# Altium PCB ASCII-senoko_pvt1.PcbDoc (part 2 of 3)
Units mm, origin at the board's own origin, x right, y up, seen from the top; angles counter-clockwise.
Board outline 124.5 x 41 mm, 4 copper layers (Top Layer, Internal Plane 1, Internal Plane 2, Bottom Layer), stack 1.671 mm thick; 226 components, 139 nets, 1479 pads, 355 vias.
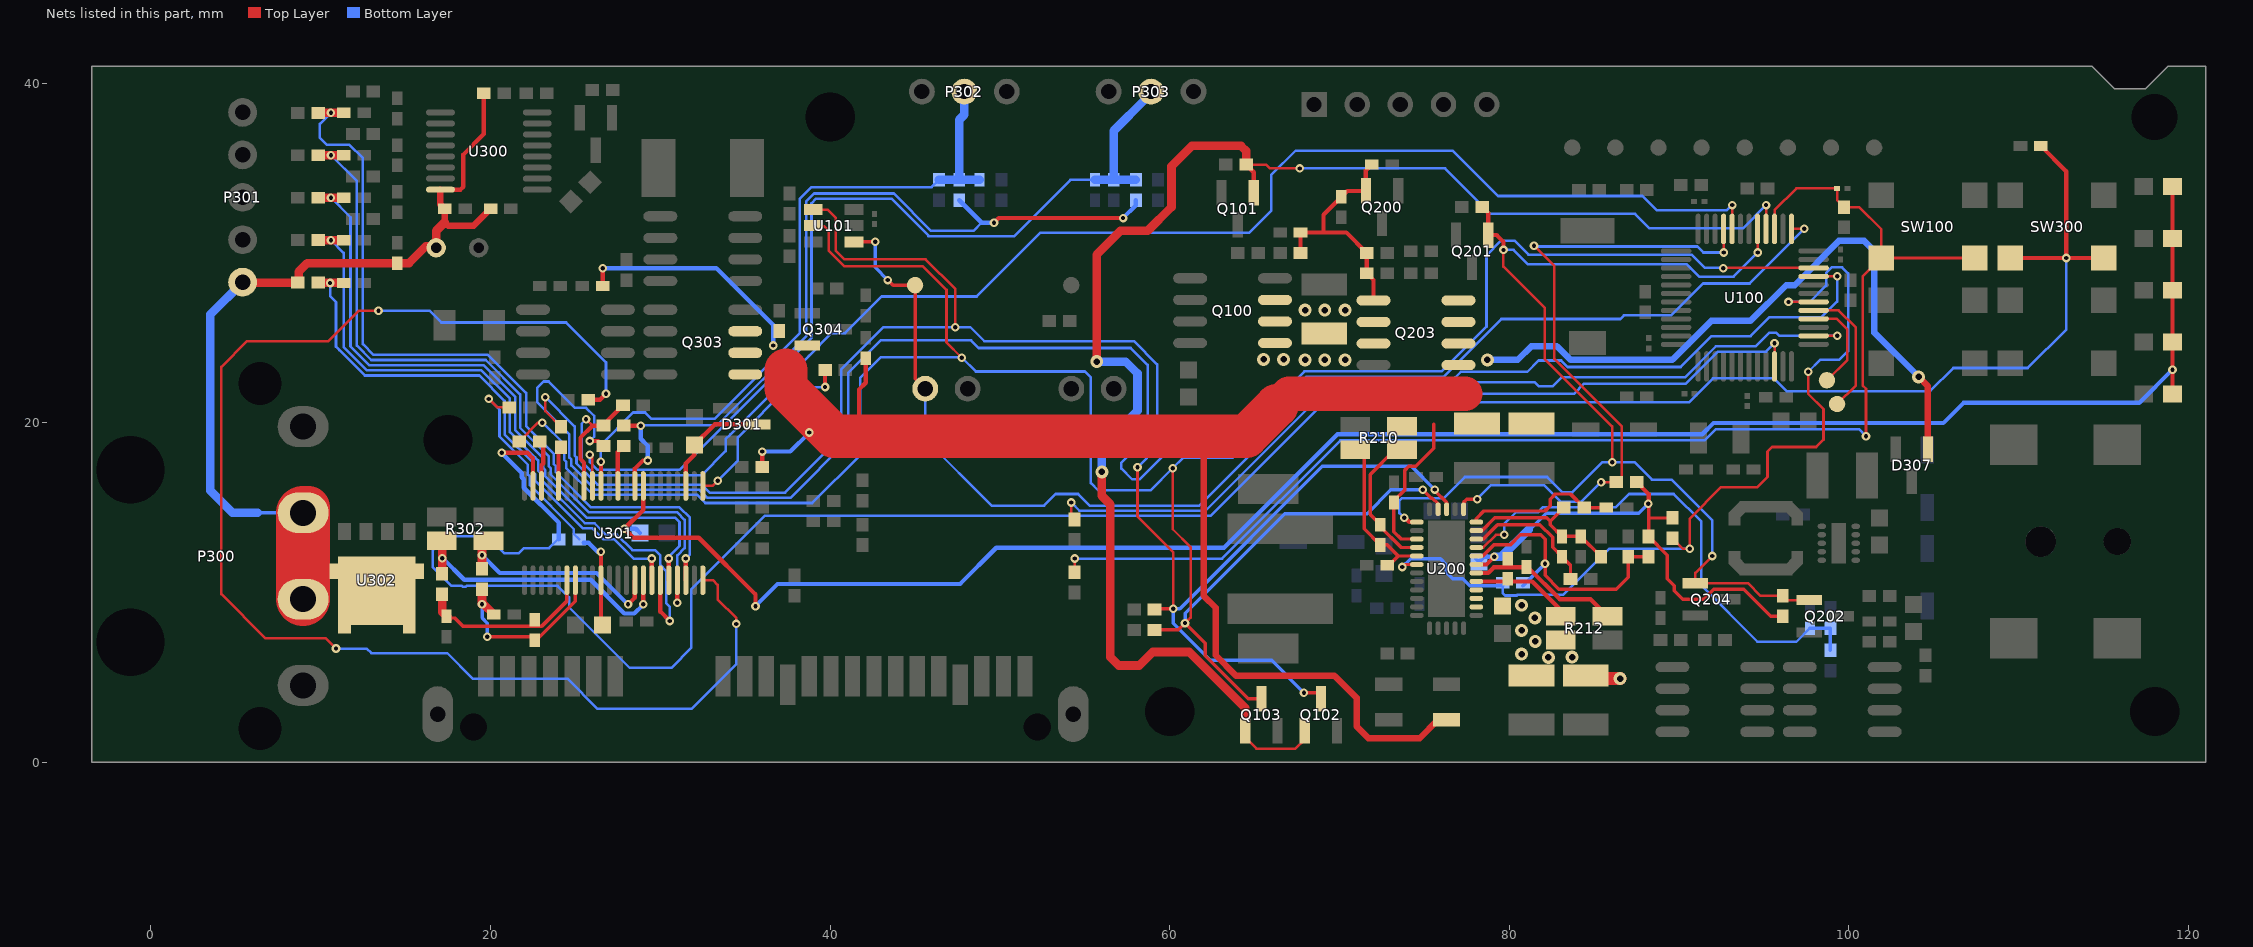
[diagram p4: the nets of this part, all layers, seen from the top]

## Free pads (board coordinates)
  round 2 hole 2.9 unplated mask+1.5: 0(17.5,19) 0(40,38) 0(60,3) 2(118,3)
  round 2 hole 2.7 unplated mask+1.6: 0(118,38)
  rect 0.203x0.051 on Top Overlay: 1(44.828,10.101) 1(45.793,11.726) 1(45.844,14.114) 1(45.945,14.266) 1(46.25,13.454) 1(46.403,9.085) 1(47.063,13.149) 1(47.215,11.676) 1(47.215,13.962) 1(47.317,14.114) 1(47.368,14.165) 1(47.419,14.266) 1(47.469,14.317) 1(47.52,14.47) 1(47.571,13.504) 1(47.571,14.52) 1(47.622,13.555) 1(47.673,13.606) 1(47.723,13.657) 1(47.977,14.012) 1(47.977,14.063) 1(48.028,14.114) 1(48.079,14.216) 1(48.13,10.202) 1(48.13,14.266) 1(48.13,14.317) 1(49.298,13.911) 1(49.501,14.368) 1(50.06,14.673) 1(50.213,12.844) 1(50.213,14.52) 1(50.263,13.962) 1(50.314,14.012) 1(50.314,14.825) 1(50.365,14.063) 1(50.416,14.114) 1(50.416,14.724) 1(50.467,14.673) 1(50.873,11.676) 1(50.924,11.726) 1(50.924,13.301) 1(50.975,11.828) 1(51.025,14.266) 1(51.076,13.403) 1(51.127,14.114) 1(51.279,12.488) 1(51.279,13.555) 1(51.33,13.606) 1(51.381,13.657) 1(51.432,13.708) 1(51.483,13.758) 1(51.533,13.454) 1(51.533,13.809) 1(51.584,13.86) 1(51.635,13.911) 1(51.686,13.962) 1(51.838,13.2) 1(51.94,9.745) 1(51.991,11.726) 1(52.397,9.745)
  rect 0.254x0.051 on Top Overlay: 1(44.853,10.152) 1(44.904,10.202) 1(44.955,10.253) 1(44.955,13.352) 1(45.006,10.304) 1(45.006,13.403) 1(45.056,10.355) 1(45.107,10.406) 1(45.107,13.454) 1(45.158,10.456) 1(45.209,13.504) 1(45.26,10.609) 1(45.26,13.555) 1(45.31,10.66) 1(45.361,13.606) 1(45.412,13.657) 1(45.463,13.708) 1(45.514,13.758) 1(45.564,13.809) 1(45.717,13.962) 1(45.768,14.012) 1(45.818,11.676) 1(45.818,14.063) 1(45.869,14.165) 1(45.92,13.809) 1(45.92,14.216) 1(45.971,14.317) 1(46.072,13.708) 1(46.123,13.657) 1(46.174,13.606) 1(46.225,13.504) 1(46.225,13.555) 1(46.428,9.136) 1(46.58,12.793) 1(47.139,13.2) 1(47.241,13.25) 1(47.292,11.625) 1(47.292,13.301) 1(47.342,11.574) 1(47.393,11.523) 1(47.393,13.352) 1(47.444,13.403) 1(47.495,13.454) 1(47.546,14.673) 1(47.596,14.571) 1(47.596,14.622) 1(48.054,14.165) 1(48.155,10.253) 1(48.155,14.368) 1(48.917,11.168) 1(48.968,11.218) 1(49.019,9.085) 1(49.019,14.165) 1(49.222,14.012) 1(49.273,13.962) 1(49.273,14.571) 1(49.324,13.25) 1(49.425,14.47) 1(49.476,14.419) 1(49.679,10.456) 1(49.882,13.657) 1(49.933,13.708) 1(50.035,13.758) 1(50.086,13.809) 1(50.136,13.86) 1(50.136,14.622) 1(50.187,13.911) 1(50.187,14.571) 1(50.695,10.66) 1(50.746,10.914) 1(50.746,10.964) 1(50.746,11.015) 1(50.746,11.066) 1(50.746,11.117) 1(50.746,11.168) 1(50.746,11.218) 1(50.949,11.777) 1(51,11.879) 1(51,13.352) 1(51.051,11.93) 1(51.152,13.454) 1(51.203,13.504) 1(51.559,10.355) 1(51.61,13.403) 1(51.813,14.724) 1(51.914,14.622) 1(51.965,9.796) 1(52.422,9.593) 1(52.422,9.644) 1(52.422,9.694)
  rect 0.102x0.051 on Top Overlay: 1(44.879,13.301) 1(45.082,14.47) 1(45.742,11.777) 1(45.996,14.52) 1(46.961,13.708) 1(48.892,11.117) 1(49.146,13.454) 1(49.146,13.504) 1(49.603,10.406) 1(50.009,14.724) 1(50.263,14.419) 1(50.568,14.317) 1(50.975,14.317) 1(51.838,13.149) 1(51.94,9.694)
  rect 0.305x0.051 on Top Overlay: 1(45.183,10.507) 1(45.234,10.558) 1(45.336,10.71) 1(45.387,10.761) 1(45.437,10.812) 1(45.437,10.863) 1(45.488,10.914) 1(45.539,11.015) 1(45.59,11.066) 1(45.641,11.168) 1(45.996,13.758) 1(46.047,14.368) 1(46.606,9.593) 1(46.606,9.644) 1(46.606,9.694) 1(46.606,9.745) 1(46.606,9.796) 1(46.606,9.847) 1(46.606,9.898) 1(46.606,9.948) 1(46.606,9.999) 1(46.606,10.05) 1(46.606,10.101) 1(46.606,10.152) 1(46.606,10.202) 1(46.606,10.253) 1(46.606,10.304) 1(46.606,10.355) 1(46.606,10.406) 1(46.606,10.456) 1(46.606,10.507) 1(46.606,10.558) 1(46.606,10.609) 1(46.606,10.66) 1(46.606,10.71) 1(46.606,10.761) 1(46.606,10.812) 1(46.606,10.863) 1(46.606,10.914) 1(46.606,10.964) 1(46.606,11.015) 1(46.606,11.066) 1(46.606,11.117) 1(46.606,11.168) 1(46.606,11.218) 1(46.606,11.269) 1(46.606,11.32) 1(46.606,11.371) 1(46.606,11.422) 1(46.606,11.472) 1(46.606,11.523) 1(46.606,11.574) 1(46.606,11.625) 1(46.606,11.676) 1(46.606,11.726) 1(46.606,11.777) 1(46.606,11.828) 1(46.606,11.879) 1(46.606,11.93) 1(46.606,11.98) 1(46.606,12.031) 1(46.606,12.082) 1(46.606,12.133) 1(46.606,12.184) 1(46.606,12.234) 1(46.606,12.285) 1(46.606,12.336) 1(46.606,12.387) 1(46.606,12.438) 1(46.606,12.488) 1(46.606,12.539) 1(47.419,11.472) 1(47.469,11.422) 1(47.52,11.371) 1(47.876,13.809) 1(47.876,13.86) 1(48.13,10.304) 1(49.044,11.269) 1(49.095,11.32) 1(49.197,14.063) 1(49.298,11.472) 1(49.603,11.777) 1(49.603,13.454) 1(49.654,13.504) 1(49.705,10.507) 1(49.705,10.558) 1(49.705,10.609) 1(49.705,10.66) 1(49.705,10.812) 1(49.705,10.863) 1(49.705,10.914) 1(49.705,10.964) 1(49.705,11.015) 1(49.705,11.066) 1(49.705,11.117) 1(49.705,11.168) 1(49.705,11.218) 1(49.705,11.269) 1(49.705,11.32) 1(49.705,11.371) 1(49.705,11.422) 1(49.705,11.472) 1(49.755,13.555) 1(49.806,13.606) 1(50.365,14.774) 1(50.467,9.999) 1(50.517,10.101) 1(50.568,10.202) 1(50.568,10.253) 1(50.619,10.304) 1(50.619,10.355) 1(50.619,10.406) 1(50.67,10.456) 1(50.67,10.507) 1(50.67,10.558) 1(50.67,10.609) 1(50.721,10.812) 1(50.721,10.863) 1(50.771,11.269) 1(50.771,11.32) 1(50.771,11.371) 1(50.771,11.422) 1(50.771,11.472) 1(51.076,9.593) 1(51.076,9.644) 1(51.076,9.694) 1(51.076,9.745) 1(51.076,9.796) 1(51.076,9.847) 1(51.076,9.898) 1(51.076,9.948) 1(51.076,9.999) 1(51.076,10.05) 1(51.076,10.101) 1(51.076,10.152) 1(51.076,10.202) 1(51.076,10.253) 1(51.076,10.304) 1(51.076,10.355) 1(51.076,10.406) 1(51.076,10.456) 1(51.076,10.507) 1(51.076,10.558) 1(51.076,10.609) 1(51.076,10.66) 1(51.076,11.98) 1(51.127,12.031) 1(51.279,12.438) 1(51.838,13.25) 1(51.838,14.114) 1(51.838,14.165) 1(51.94,9.847) 1(51.94,9.898) 1(51.991,10.558) 1(51.991,10.609) 1(51.991,10.66) 1(51.991,10.812) 1(51.991,10.863) 1(51.991,10.914) 1(51.991,10.964) 1(51.991,11.015) 1(51.991,11.066) 1(51.991,11.117) 1(51.991,11.168) 1(51.991,11.218) 1(51.991,11.269) 1(51.991,11.32) 1(51.991,11.371) 1(51.991,11.422) 1(51.991,11.472) 1(51.991,11.676) 1(52.448,14.317)
  rect 0.152x0.051 on Top Overlay: 1(45.26,14.266) 1(46.276,13.403) 1(46.53,12.844) 1(46.987,13.758) 1(47.038,13.809) 1(47.088,13.86) 1(47.139,13.911) 1(47.19,11.726) 1(47.241,14.012) 1(47.393,14.216) 1(47.495,14.724) 1(48.155,10.152) 1(48.155,14.52) 1(49.324,13.2) 1(49.527,14.317) 1(50.187,12.895) 1(50.238,14.47) 1(50.441,14.165) 1(50.492,14.216) 1(50.492,14.622) 1(50.543,14.266) 1(51.508,10.406) 1(51.914,10.507) 1(51.914,13.403) 1(51.914,13.454) 1(51.914,13.504) 1(51.914,13.555) 1(51.914,13.606) 1(51.914,13.657) 1(51.914,13.708) 1(51.914,13.758) 1(51.914,13.809) 1(51.914,13.86) 1(51.914,13.911) 1(51.914,13.962) 1(51.914,14.317) 1(51.914,14.368) 1(51.914,14.419) 1(51.914,14.47) 1(51.914,14.52) 1(51.914,14.571) 1(51.965,11.777) 1(52.422,9.796) 1(52.422,9.847) 1(52.422,9.898) 1(52.422,9.948) 1(52.422,9.999) 1(52.422,10.05) 1(52.422,10.101) 1(52.422,10.152) 1(52.422,10.202)
  rect 0.406x0.051 on Top Overlay: 1(45.285,14.317) 1(45.691,11.269) 1(45.742,11.371) 1(45.793,11.422) 1(45.945,14.47) 1(45.996,9.542) 1(46.453,9.237) 1(46.657,12.641) 1(47.571,14.368) 1(47.673,11.218) 1(47.723,11.168) 1(47.774,11.117) 1(47.825,11.066) 1(47.825,13.708) 1(47.825,13.911) 1(47.876,10.964) 1(47.876,13.758) 1(48.13,10.406) 1(48.13,10.456) 1(48.13,10.507) 1(49.349,13.301) 1(49.959,9.491) 1(50.06,9.542) 1(50.06,12.438) 1(50.111,9.593) 1(50.111,12.488) 1(50.162,9.644) 1(50.162,12.539) 1(50.263,12.742) 1(51.127,9.491) 1(51.178,9.44) 1(51.279,12.387) 1(51.737,10.202) 1(51.787,10.152) 1(51.787,13.352) 1(51.787,14.012) 1(51.838,10.101) 1(51.889,9.999) 1(51.889,10.05) 1(52.448,9.491)
  rect 0.762x0.051 on Top Overlay: 1(45.463,14.368) 1(46.377,9.39)
  rect 0.356x0.051 on Top Overlay: 1(45.514,10.964) 1(45.615,11.117) 1(45.666,11.218) 1(45.717,11.32) 1(45.717,13.911) 1(45.818,11.625) 1(46.428,9.186) 1(46.58,9.542) 1(46.631,12.59) 1(46.631,12.742) 1(47.596,11.32) 1(47.596,14.012) 1(47.647,11.269) 1(48.155,10.355) 1(49.07,14.114) 1(49.171,11.371) 1(49.222,11.422) 1(49.324,14.52) 1(49.578,11.726) 1(49.628,11.828) 1(49.679,11.879) 1(49.73,11.93) 1(49.781,11.98) 1(49.781,12.031) 1(49.832,12.082) 1(49.882,12.133) 1(49.882,12.184) 1(49.933,12.234) 1(50.035,12.387) 1(50.238,9.694) 1(50.238,12.793) 1(50.289,9.745) 1(50.34,9.796) 1(50.34,9.847) 1(50.39,9.898) 1(50.441,9.948) 1(50.492,10.05) 1(50.543,10.152) 1(51.102,9.542) 1(51.152,12.082) 1(51.203,12.133) 1(51.61,10.304) 1(51.66,10.253) 1(51.813,13.301) 1(51.813,14.063) 1(51.864,14.673) 1(51.914,9.948) 1(52.422,9.542)
  rect 1.118x0.051 on Top Overlay: 1(45.59,14.419)
  rect 0.508x0.051 on Top Overlay: 1(45.742,13.86) 1(45.844,11.472) 1(45.844,11.523) 1(47.419,14.063) 1(47.774,13.962) 1(49.247,9.186) 1(49.349,13.352) 1(49.4,9.237) 1(49.552,9.288) 1(50.263,12.692) 1(51.33,12.234) 1(52.448,9.44)
  rect 0.457x0.051 on Top Overlay: 1(45.869,11.574) 1(46.682,12.692) 1(47.85,11.015) 1(47.901,10.914) 1(47.952,10.863) 1(48.003,10.761) 1(48.003,10.812) 1(48.054,10.66) 1(48.054,10.71) 1(48.104,10.558) 1(48.104,10.609) 1(49.12,9.136) 1(49.578,11.676) 1(49.679,9.339) 1(49.781,9.39) 1(49.882,9.44) 1(50.187,12.59) 1(50.238,12.641) 1(51.254,12.184)
  rect 0.965x0.051 on Top Overlay: 1(46.276,9.491)
  rect 0.914x0.051 on Top Overlay: 1(46.301,9.44) 1(47.876,14.419)
  rect 0.61x0.051 on Top Overlay: 1(46.403,9.339) 1(48.028,14.47) 1(49.4,13.403) 1(51.279,14.165)
  rect 0.559x0.051 on Top Overlay: 1(46.428,9.288)
  rect 0.051x0.051 on Top Overlay: 1(47.038,13.098) 1(47.19,11.777) 1(50.492,14.571) 1(50.898,13.25) 1(51.254,12.539) 1(51.508,13.504)
  rect 1.727x0.051 on Top Overlay: 1(50.67,12.336) 1(51.838,9.39)
  rect 2.997x0.051 on Top Overlay: 1(50.695,11.523) 1(50.746,11.574)
  rect 1.778x0.051 on Top Overlay: 1(50.695,12.285) 1(51.813,14.216)
  rect 2.946x0.051 on Top Overlay: 1(50.771,11.625)
  rect 2.591x0.051 on Top Overlay: 1(50.848,10.71) 1(50.848,10.761)
  rect 1.372x0.051 on Top Overlay: 1(51.813,9.186)
  rect 1.473x0.051 on Top Overlay: 1(51.813,9.237)
  rect 1.676x0.051 on Top Overlay: 1(51.813,9.339)
  rect 1.626x0.051 on Top Overlay: 1(51.838,9.288)
  rect 1.27x0.051 on Top Overlay: 1(52.016,14.266)
  rect 2.489x0.051 on Bottom Overlay: 1(57.977,12.186) 1(57.977,12.237) 1(57.977,12.287) 1(60.263,14.573)
  rect 2.54x0.051 on Bottom Overlay: 1(58.002,11.932) 1(58.002,11.983) 1(58.002,12.033) 1(58.002,12.084) 1(58.002,12.135) 1(58.002,12.338) 1(58.002,12.389) 1(58.002,12.44) 1(58.002,12.491) 1(58.002,12.541) 1(58.104,12.745) 1(62.422,12.745) 1(62.523,11.983) 1(62.523,12.033) 1(62.523,12.084) 1(62.523,12.135) 1(62.523,12.186) 1(62.523,12.237) 1(62.523,12.287) 1(62.523,12.338) 1(62.523,12.389) 1(62.523,12.44) 1(62.523,12.491) 1(62.523,12.541)
  rect 2.591x0.051 on Bottom Overlay: 1(58.027,11.83) 1(58.027,11.881) 1(58.027,12.592) 1(58.027,12.643) 1(58.027,12.694) 1(58.078,11.779) 1(62.447,11.779) 1(62.498,11.83) 1(62.498,11.881) 1(62.498,11.932) 1(62.498,12.592) 1(62.498,12.643)
  rect 0.102x0.051 on Bottom Overlay: 1(58.104,15.031) 1(59.17,9.798) 1(61.355,9.798) 1(62.422,15.031)
  rect 0.152x0.051 on Bottom Overlay: 1(58.129,9.493) 1(62.396,9.493)
  rect 0.254x0.051 on Bottom Overlay: 1(58.129,9.544) 1(58.129,14.98) 1(59.145,9.849) 1(61.38,9.849) 1(62.396,9.544) 1(62.396,14.98)
  rect 0.356x0.051 on Bottom Overlay: 1(58.129,9.595) 1(58.129,14.929) 1(59.094,9.9) 1(61.431,9.9) 1(62.396,14.929)
  rect 0.457x0.051 on Bottom Overlay: 1(58.129,14.878)
  rect 0.508x0.051 on Bottom Overlay: 1(58.154,9.646) 1(62.371,9.646) 1(62.371,14.878)
  rect 0.61x0.051 on Bottom Overlay: 1(58.154,9.697) 1(58.154,14.827) 1(62.371,14.827)
  rect 0.711x0.051 on Bottom Overlay: 1(58.154,14.777)
  rect 0.762x0.051 on Bottom Overlay: 1(58.18,9.747) 1(62.345,9.747) 1(62.345,14.777)
  rect 0.864x0.051 on Bottom Overlay: 1(58.18,9.798) 1(58.18,14.726) 1(60.263,15.793) 1(62.345,9.798) 1(62.345,14.726)
  rect 0.965x0.051 on Bottom Overlay: 1(58.18,14.675) 1(60.263,15.64) 1(60.263,15.691) 1(60.263,15.742) 1(62.345,14.675)
  rect 1.016x0.051 on Bottom Overlay: 1(58.205,9.849) 1(60.237,15.589) 1(62.32,9.849)
  rect 1.118x0.051 on Bottom Overlay: 1(58.205,9.9) 1(58.205,14.624) 1(60.237,15.285) 1(62.32,9.9) 1(62.32,14.624)
  rect 2.337x0.051 on Bottom Overlay: 1(58.205,11.729) 1(58.967,13.253) 1(62.32,11.729)
  rect 1.219x0.051 on Bottom Overlay: 1(58.205,14.573) 1(60.237,15.031) 1(62.32,14.573)
  rect 2.286x0.051 on Bottom Overlay: 1(58.231,12.795) 1(61.533,13.253) 1(62.244,12.795)
  rect 2.134x0.051 on Bottom Overlay: 1(58.358,11.678) 1(58.866,13.202) 1(61.66,13.202) 1(62.168,11.678)
  rect 1.829x0.051 on Bottom Overlay: 1(58.408,10.052) 1(58.51,10.306) 1(58.561,10.408) 1(58.561,11.576) 1(58.561,12.897) 1(58.612,11.525) 1(58.612,12.948) 1(58.815,10.967) 1(58.815,11.017) 1(61.71,10.967) 1(61.71,11.017) 1(61.863,12.999) 1(61.914,10.459) 1(61.914,11.525) 1(61.914,11.576) 1(61.914,12.948) 1(61.964,10.357) 1(61.964,10.408) 1(61.964,12.897) 1(62.015,10.306) 1(62.117,10.052)
  rect 1.93x0.051 on Bottom Overlay: 1(58.408,10.103) 1(58.713,11.424) 1(58.713,13.1) 1(58.815,11.119) 1(58.815,11.17) 1(61.71,11.119) 1(61.71,11.17) 1(61.812,11.424) 1(61.812,13.1) 1(61.863,11.475) 1(62.117,10.103)
  rect 2.032x0.051 on Bottom Overlay: 1(58.408,12.846) 1(58.764,11.322) 1(58.815,11.221) 1(58.815,11.271) 1(61.71,11.221) 1(61.71,11.271) 1(61.71,11.322) 1(62.117,12.846)
  rect 1.676x0.051 on Bottom Overlay: 1(58.434,9.951) 1(58.789,10.814)
  rect 1.778x0.051 on Bottom Overlay: 1(58.434,10.001) 1(58.586,10.459) 1(58.637,10.509) 1(58.637,10.56) 1(58.688,10.611) 1(58.739,10.713) 1(61.787,10.713) 1(61.837,10.611) 1(61.888,10.509) 1(61.888,10.56) 1(62.091,10.001)
  rect 1.88x0.051 on Bottom Overlay: 1(58.434,10.154) 1(58.434,10.205) 1(58.485,10.255) 1(58.535,10.357) 1(58.535,11.627) 1(58.637,11.475) 1(58.637,12.999) 1(58.688,13.049) 1(58.789,11.068) 1(61.685,11.068) 1(61.837,13.049) 1(61.99,11.627) 1(62.041,10.205) 1(62.041,10.255) 1(62.091,10.154)
  rect 1.727x0.051 on Bottom Overlay: 1(58.713,10.662) 1(58.764,10.763) 1(58.815,10.865) 1(58.815,10.916) 1(60.237,14.726) 1(61.71,10.814) 1(61.71,10.865) 1(61.71,10.916) 1(61.761,10.763) 1(61.812,10.662) 1(62.066,9.951)
  rect 1.981x0.051 on Bottom Overlay: 1(58.739,11.373) 1(58.789,13.151) 1(60.263,14.675) 1(61.736,13.151) 1(61.787,11.373)
  rect 4.674x0.051 on Bottom Overlay: 1(60.237,13.71)
  rect 4.877x0.051 on Bottom Overlay: 1(60.237,13.862)
  rect 5.08x0.051 on Bottom Overlay: 1(60.237,14.015)
  rect 4.826x0.051 on Bottom Overlay: 1(60.263,13.303) 1(60.263,13.354) 1(60.263,13.811)
  rect 4.724x0.051 on Bottom Overlay: 1(60.263,13.405) 1(60.263,13.456) 1(60.263,13.761)
  rect 4.623x0.051 on Bottom Overlay: 1(60.263,13.507) 1(60.263,13.557) 1(60.263,13.608) 1(60.263,13.659)
  rect 4.928x0.051 on Bottom Overlay: 1(60.263,13.913)
  rect 5.029x0.051 on Bottom Overlay: 1(60.263,13.964)
  rect 5.131x0.051 on Bottom Overlay: 1(60.263,14.065)
  rect 5.232x0.051 on Bottom Overlay: 1(60.263,14.116)
  rect 5.334x0.051 on Bottom Overlay: 1(60.263,14.167) 1(60.263,14.218)
  rect 5.436x0.051 on Bottom Overlay: 1(60.263,14.269) 1(60.263,14.523)
  rect 5.537x0.051 on Bottom Overlay: 1(60.263,14.319) 1(60.263,14.37) 1(60.263,14.472)
  rect 5.639x0.051 on Bottom Overlay: 1(60.263,14.421)
  rect 2.184x0.051 on Bottom Overlay: 1(60.263,14.624)
  rect 1.473x0.051 on Bottom Overlay: 1(60.263,14.777)
  rect 1.27x0.051 on Bottom Overlay: 1(60.263,14.827) 1(60.263,14.878) 1(60.263,14.929) 1(60.263,14.98)
  rect 1.168x0.051 on Bottom Overlay: 1(60.263,15.081) 1(60.263,15.132) 1(60.263,15.183) 1(60.263,15.234)
  rect 1.067x0.051 on Bottom Overlay: 1(60.263,15.335) 1(60.263,15.386) 1(60.263,15.437) 1(60.263,15.488) 1(60.263,15.539)
  rect 0.66x0.051 on Bottom Overlay: 1(62.345,9.697)
  rect 0.406x0.051 on Bottom Overlay: 1(62.371,9.595)
  rect 2.642x0.051 on Bottom Overlay: 1(62.472,12.694)

## Via types
v1: diameter 0.508, hole 0.254, Top Layer to Bottom Layer, tented both sides, 187 vias
v2: diameter 0.762, hole 0.381, Top Layer to Bottom Layer, tented both sides, 155 vias
v3: diameter 0.66, hole 0.33, Top Layer to Bottom Layer, tented top, 9 vias
v4: diameter 0.5, hole 0.2, Top Layer to Bottom Layer, 3 vias
v5: diameter 0.66, hole 0.33, Top Layer to Bottom Layer, tented both sides, 1 vias

## Nets (pads, with @x,y where several pads share a name; then routed paths per layer and width w, separated by ;. In a path a pad name is that pad's centre, name@x,y a point inside that pad or via, vN(x,y) a via of type N, cw(c..) or ccw(c..) an arc to the next point about the centre after c; other vN are vias at no path point)
ADC_IN6: J104.1 U100.16 | length 5.7
  Top Layer w0.152: U100.16@97.917,26.114 99.286,26.114 99.9,25.5 99.9,23.7 J104.1@98.7,22.5
ADC_IN7: J105.1 U100.17 | length 7.9
  Top Layer w0.152: U100.17@97.917,26.614 99.386,26.614 100.4,25.6 100.4,22.2 J105.1@99.3,21.1
ANA_METER: J102.1 P101.1 U100.14 U101.1 | length 76.9
  Top Layer w0.152: U100.14@97.917,25.114 v1@99.297,25.114
  Top Layer w0.203: U101.1@41.4,30.65 v1(42.65,30.65) ; v1(43.4,28.4) 43.7,28.1 J102.1@45,28.1 45,22.6 P101.1@45.6,22
  Bottom Layer w0.152: P101.1@45,22 45.6,21.4 45.6,19.025 49.505,15.12 52.6,15.12 53.28,15.8 54.6,15.8 55.28,15.12 61.744,15.12 68.428,21.804 76.804,21.804 77.39,22.39 81.488,22.39 81.738,22.14 82.54,22.14 83.071,22.671 90.333,22.671 92.153,24.49 94.49,24.49 95.309,25.309 95.7,25.309 95.887,25.122 v1(99.305,25.122)
  Bottom Layer w0.203: v1(42.65,30.65) 42.65,29.15 v1(43.4,28.4)
BAT_PGND: C309.2 C310.2 C311.2 J301.1 P300.2 P300.3 P301.5 R317.1 R339.2 U300.8 U302.5 U302.6 U302.7 U302.8 U302.9 | length 54.6
  Top Layer w0.254: U302.9@13.3,10.103 15.205,8.198 U302.7@15.205,7.838 ; U300.8@17.05,33.725 18.225,33.725 18.4,33.9 18.4,35.8 19.6,37 R339.2@19.6,39.4
  Top Layer w0.381: U300.8@17.05,33.725 17.05,32.85 C309.2@17.3,32.6 17.3,31.8 17.5,31.6 19,31.6 C310.2@20,32.6
  Top Layer w0.508: P301.5@5.4,28.275 5.425,28.25 R317.1@8.65,28.25 8.7,28.3 8.7,28.9 9.2,29.4 C311.2@14.5,29.4 15.2,29.4 16.2,30.4 16.8,30.4 16.8,31.3 17.3,31.8 ; J301.1@17,30.3 J301.1@17,30.4
  Top Layer w2.54: P300.2@8.96,14.69 P300.2@9.27,15
  Top Layer w3.175: P300.3@8.96,9.61 P300.2@8.96,14.69
  Bottom Layer w0.178: P300.2@8.95,14.7 P300.2@8.96,14.69
  Bottom Layer w0.229: 6.3,14.7 P300.2@8.95,14.7
  Bottom Layer w0.508: P301.5@5.4,28.275 3.5,26.375 3.5,16 4.8,14.7 6.3,14.7
BAT_PROTECTED: C207.1 C208.1 C223.2 C301.1 C302.2 D200.1 D307.1 Q203.5 Q203.6 Q203.7 Q203.8 Q303.1 Q303.2 Q303.3 Q304.2 R210.3 R304.2 R319.1 U200.20 | length 145.2
  Top Layer w0.203: U200.20@74.55,13.15 73.631,13.15 73.2,13.581 C223.2@73.2,15.3 73.2,15.4 73.825,16.025 73.825,17.184 74.066,17.425 74.484,17.425 75.55,18.491 75.55,19.9
  Top Layer w0.254: C301.1@26.6,28.05 v1(26.6,29.1) ; R319.1@36,17.4 v1(36,18.3) ; 41.7,19.2 41.7,21.95 42.1,22.35 C302.2@42.1,23.8
  Top Layer w0.381: 63.175,19.2 62,18.025 62,9.8 62.7,9.1 62.7,6.3 63.9,5.1 69.7,5.1 71,3.8 71,2.125 71.7,1.425 74.725,1.425 75.8,2.5 D200.1@76.3,2.5 ; v2(104.1,22.7) 104.65,22.15 D307.1@104.65,18.45
  Top Layer w2.032: 66.3,21 67,21.7 77.4,21.7
  Top Layer w2.54: 37.4,23.1 37.4,22.029 40.229,19.2 41.7,19.2 63.175,19.2 64.5,19.2 66.3,21
  Bottom Layer w0.254: v1(26.6,29.1) 33.3,29.1 36.65,25.75 v1(36.65,24.55) ; v1(36,18.3) 37.65,18.3 v1(38.775,19.425)
  Bottom Layer w0.381: v2(78.7,23.7) 80.5,23.7 81.3,24.5 82.8,24.5 83.6,23.7 89.6,23.7 91.9,26 94.2,26 96.3,28.1 96.8,28.1 99.411,30.711 100.889,30.711 101.5,30.1 101.5,25.3 v2(104.1,22.7)
CHG_ACIN: C217.1 R214.2 R215.1 U200.9 | length 30
  Top Layer w0.152: U200.9@78.05,12.65 78.45,12.65 79.2,13.4 v1(79.7,13.4)
  Bottom Layer w0.152: v1(79.7,13.4) 79.7,14.05 80.375,14.725 81.675,14.725 81.975,15.025 86.275,15.025 87.05,15.8 89.675,15.8 91.3,14.175 91.3,10.4 94.6,7.1 96.9,7.1 C217.1@97.7,7.9
  Bottom Layer w0.203: C217.1@97.7,7.9 R215.1@98.9,7.9 R214.2@98.9,6.6
CHG_ACOK: Q201.1 Q202.1 Q204.1 R203.2 R222.2 U100.29 U200.18 | length 70.8
  Top Layer w0.152: v1(79.65,30.175) 79.65,29.2 82.075,26.775 82.075,23.75 86.05,19.775 v1(86.05,17.675) ; v1(91.95,12.15) 90.95,11.15 Q204.1@90.95,10.55 94.05,10.55 94.8,9.8 R222.2@96.1,9.8 96.35,9.55 Q202.1@97.65,9.55 ; v1@94.617,30.033 U100.29@94.617,31.414
  Top Layer w0.254: v1(73.8,14.4) 73.854,14.4 74.104,14.15 U200.18@74.55,14.15 ; R203.2@78.4,32.7 78.75,32.35 Q201.1@78.75,31.05 79.25,31.05 79.65,30.65 v1(79.65,30.175)
  Bottom Layer w0.152: v1(73.8,14.4) 73.525,14.675 73.525,15.425 73.65,15.55 76.125,15.55 77.375,16.8 82.225,16.8 83.135,15.89 83.69,15.89 85.475,17.675 v1(86.05,17.675) 87.368,17.675 88.4,16.642 89.557,16.642 91.95,14.25 v1(91.95,12.15) ; v1(79.65,30.175) 80.24,30.175 81.09,29.325 90.45,29.325 91.175,28.6 93.2,28.6 v1(94.625,30.025)
CHG_ALERT: R326.2 U100.25 | length 107.9
  Top Layer w0.152: U100.25@96.617,31.414 v1(97.361,31.414) v1@97.375,31.4
  Top Layer w0.254: v1(25.85,18.925) 26.35,18.925 R326.2@26.65,18.625
  Bottom Layer w0.152: v1(25.85,18.925) 26.108,19.183 26.108,20.4 25.632,20.875 24.975,20.875 23.425,22.425 23.125,22.425 22.742,22.042 22.742,21.208 24.645,19.305 24.645,17.94 24.754,17.831 24.754,17.47 26.174,16.05 32.3,16.05 32.776,15.574 37.652,15.574 41.075,18.997 41.075,22.947 42.973,24.845 48.3,24.845 48.745,24.4 57.7,24.4 58.7,23.4 58.7,19.2 57.15,17.65 57.15,17.3 57.791,16.659 58.216,16.659 59.786,18.23 63.561,18.23 68.049,22.718 76.137,22.718 79.524,26.105 86.53,26.105 86.75,26.325 89.529,26.325 91.404,28.2 94.148,28.2 v1(97.361,31.414)
CHG_CE: R220.2 U100.33 U200.13 | length 39.5
  Top Layer w0.152: v1(81.45,30.425) 82.65,29.225 82.65,23.75 86.625,19.775 86.625,16.825 R220.2@86.3,16.5 v1(85.4,16.5) ; U100.33@92.617,31.414 92.617,30.033 v1(92.625,30.025)
  Top Layer w0.203: U200.13@77.3,14.9 77.3,15.3 77.5,15.5 v1(78.1,15.5)
  Bottom Layer w0.152: v1(78.1,15.5) 78.925,16.325 82.025,16.325 83,15.35 84.25,15.35 v1(85.4,16.5) ; v1@81.525,30.375 91.075,30.375 91.425,30.025 v1(92.625,30.025)
CHG_CSON: C212.1 R210.4 U200.21 | length 8.4
  Top Layer w0.203: R210.4@73.675,18.4 73.256,18.4 71.806,16.95 71.806,14.594 C212.1@72.4,14 72.4,13.879 73.629,12.65 U200.21@74.55,12.65
CHG_CSOP: C212.2 C218.2 R210.1 U200.22 | length 9.5
  Top Layer w0.203: R210.1@70.925,18.4 71.45,17.875 71.45,13.75 C212.2@72.4,12.8 72.8,12.8 73.45,12.15 ; C218.2@72.8,11.5 73.45,12.15 ; U200.22@74.55,12.15 73.45,12.15
CHG_CSSN: C216.2 R212.4 U200.5 | length 6
  Top Layer w0.254: U200.5@78.05,10.65 81.35,10.65 83.025,8.975 R212.4@83.025,8.6
CHG_CSSP: C216.1 C219.1 R212.1 U200.6 | length 9.1
  Top Layer w0.254: U200.6@78.05,11.15 78.75,11.15 79.079,11.479 81.095,11.479 82.975,9.6 84.775,9.6 R212.1@85.775,8.6
CHG_EAI: C220.2 C221.2 R223.1 R224.1 U200.11 | length 9.9
  Top Layer w0.203: U200.11@78.05,13.65 78.25,13.65 78.3,13.7 78.35,13.7 78.4,13.65 79.15,14.4 82.2,14.4 82.4,14.2 ; R223.1@83.2,15 82.4,14.2 ; R224.1@85.4,12.1 C220.2@84.2,13.3 C221.2@83.1,13.3 82.4,14 82.4,14.2
CHG_EAO: C221.1 R219.2 U200.10 | length 8
  Top Layer w0.203: U200.10@78.05,13.15 78.45,13.15 79.3,14 81.8,14 82.546,13.254 82.546,12.654 C221.1@83.1,12.1 83.6,11.6 R219.2@83.6,10.8
CHG_FBO: C225.2 R223.2 U200.12 | length 9
  Top Layer w0.203: U200.12@78.05,14.15 78.05,14.35 78.5,14.8 82.1,14.8 82.4,15.1 82.4,15.5 82.7,15.8 83.6,15.8 R223.2@84.4,15 C225.2@85.7,15
CHG_ICOUT: R216.2 R218.2 U100.18 U200.23 | length 52.7
  Top Layer w0.152: R216.2@89.6,13.2 90.225,12.575 v1(90.625,12.575) 90.625,14.35 92.475,16.2 94.6,16.2 95.2,16.8 95.2,18.3 95.467,18.567 98.067,18.567 98.5,19 98.5,20.8 97.6,21.7 v1(97.6,23) ; v1@96.425,27.125 v1(96.436,27.114) U100.18@97.917,27.114
  Top Layer w0.203: v1(73.7,11.5) 73.85,11.65 U200.23@74.55,11.65
  Bottom Layer w0.152: R218.2@79.6,10.575 79.6,10.4 79.6,9.975 79.75,9.825 80.438,9.825 80.472,9.86 83.16,9.86 85.875,12.575 v1(90.625,12.575) ; v1(96.436,27.114) 97.689,27.114 98.65,28.075 98.65,28.825 98.975,29.15 99.6,29.15 99.95,28.8 99.95,24.225 99.425,23.7 98.3,23.7 v1(97.6,23)
  Bottom Layer w0.203: v1(73.7,11.5) 74.184,11.984 75.942,11.984 76.284,11.642 76.284,11.19 76.658,10.816 77.25,10.816 77.666,10.4 R218.2@79.6,10.4
CHG_ICREF: R217.2 R218.1 R221.1 U200.8 | length 16.6
  Top Layer w0.203: U200.8@78.05,12.15 78.432,12.15 79.082,12.8 80.041,12.8 80.641,13.4 81.844,13.4 82.108,13.137 82.108,11.006 82.918,10.196 86.296,10.196 87,10.9 R221.1@87,12.1 R217.2@88.2,12.1
  Bottom Layer w0.203: R218.1@80.8,10.4 v1(82.1,11.7)
CHG_IRQ: R115.1 U100.10 | length 48.2
  Top Layer w0.152: v1(54.2,15.3) 54.2,14.5 R115.1@54.4,14.3 ; U100.10@95.617,23.314 v1(95.617,24.683)
  Bottom Layer w0.152: v1(54.2,15.3) 54.685,14.815 62.115,14.815 68.799,21.499 76.999,21.499 77.2,21.7 83.8,21.7 84.4,22.3 90.393,22.3 92.279,24.186 95.119,24.186 v1(95.617,24.683)
CHG_MASTERPWR: Q101.1 Q102.1 Q103.1 R108.2 U100.28 | length 92.6
  Top Layer w0.152: Q103.1@64.45,1.85 64.45,1.45 65.1,0.8 67.4,0.8 67.95,1.35 Q102.1@67.95,1.85 ; R108.2@64.5,35.2 65.675,35.2 65.9,34.975 v1(67.65,34.975) ; U100.28@95.117,31.414 v1(95.117,32.817)
  Top Layer w0.254: R108.2@64.5,35.2 64.95,34.75 Q101.1@64.95,33.55
  Top Layer w0.508: v2(55.7,23.6) 55.7,29.9 57.1,31.3 58.7,31.3 60.1,32.7 60.1,35.1 61.3,36.3 64.2,36.3 64.5,36 R108.2@64.5,35.2 ; v2(56,17.1) 56,15.7 56.5,15.2 56.5,6.2 57,5.7 58.2,5.7 59,6.5 61.153,6.5 64.45,3.203 Q103.1@64.45,1.85
  Bottom Layer w0.152: v1(67.65,34.975) 76.222,34.975 78.897,32.3 87.397,32.3 88.247,31.45 93.75,31.45 v1(95.117,32.817)
  Bottom Layer w0.508: v2(55.7,23.6) 57.4,23.6 58.1,22.9 58.1,20.7 56,18.6 v2(56,17.1)
CHG_PWRSWITCH: C116.2 R119.1 R120.1 SW100.1 SW100.2 U100.27 | length 78.3
  Top Layer w0.152: R120.1@54.4,11.2 v1(54.4,12) ; U100.27@95.617,31.414 95.617,32.517 96.9,33.8 C116.2@99.3,33.8 99.3,33.1 R119.1@99.7,32.7 100.6,32.7 101.9,31.4 SW100.1@101.9,29.7 ; v1(101,19.2) 101,22 100.8,22.2 100.8,28.6 SW100.1@101.9,29.7 ; SW100.2@107.4,29.7 SW100.1@101.9,29.7
  Bottom Layer w0.152: v1(54.4,12) 63.083,12 70.042,18.959 91.502,18.959 92.167,19.624 100.576,19.624 v1(101,19.2)
CHG_SCL: Q103.3 R225.2 R329.2 U100.21 U101.5 U200.16 | length 153.9
  Top Layer w0.152: R329.2@21.7,18.9 22.8,20 v1(23.05,20) ; U101.5@39,31.6 38.95,31.6 38.925,31.575 39.625,31.575 39.925,31.275 39.925,30.119 40.819,29.225 45.45,29.225 46.85,27.825 46.85,24.725 v1(47.75,23.825) ; v1(60.175,17.325) 60.175,13.725 61.225,12.675 61.225,8.525 v1@61.063,8.363 ; U100.21@97.917,28.614 v1@99.297,28.614
  Top Layer w0.203: R225.2@59.1,7.8 60.5,7.8 v1(60.9,8.2) ; v1@61.063,8.363 v1(60.9,8.2) ; Q103.3@65.4,3.75 64.621,3.75 62.1,6.271 62.1,7 v1(60.9,8.2) ; v1(74.9,16.044) 75.39,15.554 75.467,15.554 75.8,15.221 U200.16@75.8,14.9
  Bottom Layer w0.152: v1(23.05,20) 23.05,20.025 24.34,18.735 24.34,17.814 24.45,17.705 24.45,17.344 26.048,15.745 32.174,15.745 32.65,15.269 38.941,15.269 41.78,18.108 41.78,22.655 42.975,23.85 47.75,23.85 48.584,23.016 55.007,23.016 55.35,22.673 55.35,16.45 55.788,16.013 58.863,16.013 v1(60.175,17.325) 60.775,17.925 63.687,17.925 68.176,22.413 76.551,22.413 77.138,23 81.057,23 81.721,23.664 83.043,23.664 83.426,23.281 90.081,23.281 91.9,25.1 94.2,25.1 95.312,26.213 98.387,26.213 99.305,27.13 v1(99.305,28.622)
  Bottom Layer w0.203: v1(60.9,8.2) 60.9,8.775 66.775,14.65 71.625,14.65 73.019,16.044 v1(74.9,16.044)
CHG_SDA: Q102.3 R226.2 R327.2 U100.22 U101.4 U200.15 | length 158.8
  Top Layer w0.152: v1(23.225,21.5) 23.225,20.675 R327.2@24.15,19.75 ; U101.4@39,32.55 39.85,32.55 40.325,32.075 40.325,30.15 40.85,29.625 45.625,29.625 47.375,27.875 v1(47.375,25.625) ; v1(58.1,17.375) 58.1,14.475 60.2,12.375 v1(60.2,9.05) ; v1(92.6,29.1) 92.614,29.114 96.514,29.114 U100.22@97.917,29.114
  Top Layer w0.203: R226.2@59.1,9 59.15,9.05 v1(60.2,9.05) ; v1(67.9,4.1) 68.8,4.1 68.9,4 Q102.3@68.9,3.75 ; v1(75.6,16.062) 75.6,16 76.3,15.3 U200.15@76.3,14.9
  Bottom Layer w0.152: v1(23.225,21.5) 24.95,19.775 24.95,18.066 25.059,17.957 25.059,17.596 26.301,16.355 32.426,16.355 32.902,15.879 37.354,15.879 40.649,19.174 40.649,23.124 43.15,25.625 48.25,25.625 49.075,24.8 57.9,24.8 59.26,23.44 59.26,18.535 ; v1(58.1,17.375) 59.26,18.535 ; v1(92.6,29.1) 92.586,29.114 91.511,29.114 90.725,29.9 81.125,29.9 80.3,30.725 79.518,30.725 78.65,29.857 78.65,25.662 76.011,23.023 67.923,23.023 63.435,18.535 59.26,18.535
  Bottom Layer w0.203: v1(67.9,4.1) 66,6 62.382,6 60.2,8.182 v1(60.2,9.05) 60.6,9.05 68.975,17.425 74.237,17.425 v1(75.6,16.062)
CHG_SYS: C100.1 C200.2 C201.1 C202.1 C209.1 C210.1 C211.1 Q100.1 Q100.2 Q100.3 Q200.2 Q203.1 Q203.2 Q203.3 R104.2 R200.1 R204.1 R212.3 U200.2 U200.3 U200.4 | length 16.5
  Top Layer w0.254: R104.2@67.7,30 C100.1@67.7,31.2 69.05,31.2 ; C200.2@71.9,35.2 71.55,34.85 Q200.2@71.55,33.65 70.45,33.65 C202.1@70.1,33.3 69.05,32.25 69.05,31.2 ; Q203.1@72,27.205 72,28.4 R200.1@71.6,28.8 R204.1@71.6,30 70.4,31.2 69.05,31.2
  Top Layer w0.762: C210.1@84.5,5.125 84.7,4.925 v2(86.525,4.925)
  other v2: 82.3,6.175 83.7,6.2 80.725,6.375 81.525,7.125 80.725,7.775 81.5,8.5 80.725,9.25 67.975,23.7 69.125,23.7 70.325,23.7 65.525,23.725 66.7,23.725 67.975,26.625 69.125,26.625 70.325,26.625
CHG_VREF: C214.1 R216.1 R217.1 R220.1 R222.1 U200.7 | length 28.9
  Top Layer w0.178: 88.2,14.3 88.3,14.4 R216.1@89.6,14.4
  Top Layer w0.203: v1@88.2,15.225 88.2,14.3 R217.1@88.2,13.3 89.3,12.2 89.3,10.8 89.7,10.4 89.7,10.1 90.2,9.6 91.441,9.6 92.041,10.2 93.8,10.2 95.4,8.6 R222.1@96.1,8.6
  Top Layer w0.254: U200.7@78.05,11.65 78.65,11.65 v1(79.1,12.1) ; R220.1@87.5,16.5 88.2,15.8 v1@88.2,15.225
  Bottom Layer w0.203: C214.1@78.016,11.984 C214.1@78.2,11.8 ; 81.315,13.814 82.176,14.675 87.625,14.675 v1(88.175,15.225)
  Bottom Layer w0.254: C214.1@78.2,11.8 78.5,12.1 v1(79.1,12.1)
  Bottom Layer w0.508: v1(79.1,12.1) 79.525,12.1 81.125,13.7
GG_2.5V: C321.1 R334.2 R338.1 U301.32 | length 17.5
  Top Layer w0.152: v1(19.9,21.4) 20.4,20.9 R338.1@21.1,20.9
  Top Layer w0.254: v1(26.5,12.4) U301.32@26.5,10.725 26.5,8.2 C321.1@26.6,8.1
  Bottom Layer w0.152: v1(19.9,21.4) 20.528,20.772 20.528,19.192 22.196,17.524 22.196,16.941 22.316,16.821 22.316,16.321 24.9,13.737 24.9,13.45 R334.2@25.225,13.125
  Bottom Layer w0.254: R334.2@25.475,12.925 25.775,12.925 26.3,12.4 v1(26.5,12.4)
GG_3.3V: C323.1 D302.1 D303.1 D304.1 D305.1 D306.1 U301.8 | length 115.5
  Top Layer w0.254: U301.8@29,16.3 29,14.875 v1(27.875,13.75) 28.4,13.225 32.266,13.225 35.6,9.891 v1(35.6,9.2) ; D302.1@119.05,21.7 D303.1@119.05,24.75 D304.1@119.05,27.8 D305.1@119.05,30.85 D306.1@119.05,33.9
  Bottom Layer w0.254: v1(27.875,13.75) 28.55,13.75 C323.1@28.8,13.5 ; v1(35.6,9.2) 36.9,10.5 47.652,10.5 49.783,12.631 63.189,12.631 69.873,19.315 91.355,19.315 92.02,19.98 105.557,19.98 106.744,21.167 117.092,21.167 v1(119.05,23.125)
GG_ALERT: R326.1 U301.11 | length 2.5
  Top Layer w0.254: U301.11@27.5,16.275 27.5,18.275 R326.1@27.85,18.625
GG_ASRN: R302.4 R325.2 U301.36 | length 13.1
  Top Layer w0.254: v1(28.1,9.3) 28.5,9.7 U301.36@28.5,10.725
  Top Layer w0.508: R302.4@19.375,13.05 19.5,12.925 R325.2@19.5,11.4
  Bottom Layer w0.254: v1(19.5,12.2) 20.546,11.154 26.246,11.154 v1(28.1,9.3)
GG_ASRP: R302.1 R328.2 U301.37 | length 16.8
  Top Layer w0.254: v1(29,9.3) U301.37@29,10.725
  Top Layer w0.508: R302.1@17.025,13.05 17.15,12.925 v1(17.15,12.013) R328.2@17.15,11.1
  Bottom Layer w0.254: v1@17.169,12.031 18.452,10.748 25.898,10.748 27.879,8.767 28.467,8.767 v1(29,9.3)
GG_CHG: R307.2 U301.44 | length 82
  Top Layer w0.152: v1(10.9,6.7) 10.3,7.3 6.759,7.3 4.15,9.909 4.15,23.291 5.659,24.8 10.45,24.8 12.25,26.6 v1(13.4,26.6) ; U301.44@32.5,10.725 33.1,10.725 33.375,10.45 33.375,9.6 34.475,8.5 v1(34.475,8.15)
  Top Layer w0.254: R307.2@25.75,21.35 26.45,21.35 v1(26.8,21.7)
  Bottom Layer w0.152: v1(10.9,6.7) 12.7,6.7 12.975,6.425 17.45,6.425 18.95,4.925 24.525,4.925 26.308,3.142 31.835,3.142 34.475,5.783 v1(34.475,8.15) ; v1(13.4,26.6) 16.4,26.6 17.1,25.9 24.45,25.9 26.8,23.55 v1(26.8,21.7)
GG_DISP: C326.1 R334.1 SW300.3 SW300.4 U301.21 | length 146.5
  Top Layer w0.254: v1(20.651,18.226) 22.174,18.226 22.5,17.9 U301.21@22.5,16.275 ; SW300.4@109.5,29.7 v1(112.8,29.7) ; C326.1@111.3,36.3 112.8,34.8 v1(112.8,29.7) ; SW300.3@115,29.7 v1(112.8,29.7)
  Bottom Layer w0.152: R334.1@23.987,13.162 23.44,12.615 21.975,12.615 21.66,12.3 20.825,12.3 19.8,13.325 17.425,13.325 16.6,12.5 16.6,11.48 17.688,10.392 18.305,10.392 18.358,10.34 18.547,10.34 18.599,10.392 23.952,10.392 24.632,9.712 24.632,9.132 28.197,5.567 30.642,5.567 31.825,6.75 31.825,10.195 36.14,14.511 62.411,14.511 68.665,20.765 69.094,21.194 90.576,21.194 91.991,22.61 95.578,22.61 96.328,21.86 104.779,21.86 106.143,23.224 110.524,23.224 112.8,25.5 v1(112.8,29.7)
  Bottom Layer w0.254: v1(20.651,18.226) 21.841,17.036 21.841,16.793 21.96,16.674 21.96,16.174 24.025,14.109 R334.1@24.025,13.125
GG_DSG: R308.2 U301.1 | length 11.4
  Top Layer w0.152: U301.1@32.5,16.275 33.075,16.275 v1(33.375,16.575)
  Top Layer w0.254: v1(39.7,22.1) R308.2@39.7,23.1
  Bottom Layer w0.152: v1(33.375,16.575) 34.563,17.763 34.563,19.138 37.525,22.1 v1(39.7,22.1)
GG_GSRN: C317.1 C318.1 R325.1 U301.29 | length 11.2
  Top Layer w0.203: v1(19.8,7.4) 22.903,7.4 25,9.497 U301.29@25,10.725
  Top Layer w0.508: v1(19.5,9.3) v1@19.6,9.3 ; R325.1@19.5,10.2 19.5,9.4 v1@19.6,9.3 ; C318.1@20.2,8.7 v1@19.6,9.3
  Bottom Layer w0.203: v1(19.5,9.3) 19.5,8.5 19.8,8.2 v1(19.8,7.4)
GG_GSRP: C317.2 C319.1 R328.1 U301.28 | length 10.6
  Top Layer w0.203: C319.1@17.5,8.5 17.9,8.5 18.4,8 23,8 24.5,9.5 U301.28@24.5,10.725
  Top Layer w0.508: R328.1@17.15,9.9 17.15,8.85 C319.1@17.5,8.5
GG_P1: C312.1 R313.2 U301.42 | length 46
  Top Layer w0.254: U301.42@31.5,10.725 v1(31.5,12)
  Top Layer w0.508: R313.2@9.85,38.25 v1(10.6,38.25) C312.1@11.15,38.25
  Bottom Layer w0.152: v1(10.6,38.25) 9.95,37.6 9.95,36.775 10.35,36.375 11.675,36.375 12.475,35.575 12.475,24.625 13.1,24 19.843,24 22.095,21.748 22.095,19.805 23.72,18.18 23.72,17.572 23.84,17.452 23.84,17.091 25.911,15.02 31.124,15.02 31.738,14.406 31.738,12.238 v1(31.5,12)
GG_P2: C315.1 R314.2 U301.41 | length 44.8
  Top Layer w0.254: v1(31,9.4) U301.41@31,10.725
  Top Layer w0.508: R314.2@9.85,35.75 v1(10.6,35.75) C315.1@11.15,35.75
  Bottom Layer w0.152: v1(10.6,35.75) 12.125,34.225 12.125,24.544 12.974,23.695 19.717,23.695 21.747,21.665 21.747,19.703 23.415,18.035 23.415,17.446 23.535,17.326 23.535,16.965 25.785,14.715 30.998,14.715 31.433,14.28 31.433,12.616 31,12.182 v1(31,9.4)
GG_P3: C313.1 R315.2 U301.40 | length 39.6
  Top Layer w0.254: U301.40@30.5,10.725 v1(30.5,12)
  Top Layer w0.508: R315.2@9.85,33.25 v1(10.6,33.25) C313.1@11.15,33.25
  Bottom Layer w0.152: v1(10.6,33.25) 11.75,32.1 11.75,24.488 12.847,23.39 19.591,23.39 21.443,21.538 21.443,19.57 23.111,17.903 23.111,17.319 23.23,17.2 23.23,16.839 25.658,14.411 30.872,14.411 31.129,14.154 31.129,12.742 30.5,12.114 v1(30.5,12)
GG_P4: C316.1 R316.2 U301.39 | length 40.1
  Top Layer w0.254: U301.39@30,10.725 30,8.875 v1(30.55,8.325)
  Top Layer w0.508: R316.2@9.85,30.75 v1(10.6,30.75) C316.1@11.15,30.75
  Bottom Layer w0.152: v1(10.6,30.75) 11.35,30 11.35,24.457 12.721,23.086 19.464,23.086 21.138,21.412 21.138,19.444 22.627,17.955 22.806,17.776 22.806,17.193 22.926,17.073 22.926,16.712 25.56,14.078 26.128,14.078 26.776,13.43 27.426,13.43 28.356,12.5 29.7,12.5 29.7,12.482 30,12.182 30,11.625 30.346,11.279 30.346,9.371 30.55,9.168 v1(30.55,8.325)
GG_P5: C314.1 R317.2 U301.38 | length 31.9
  Top Layer w0.254: U301.38@29.5,10.725 v1(29.5,12)
  Top Layer w0.508: R317.2@9.85,28.25 C314.1@11.15,28.25
  Bottom Layer w0.152: v1(10.55,28.225) 10.55,27.45 10.9,27.1 10.9,24.476 11.1,24.276 12.595,22.781 19.338,22.781 20.833,21.286 20.833,19.318 22.501,17.65 22.501,17.067 22.621,16.947 22.621,16.586 25.433,13.774 26.001,13.774 26.65,13.125 27.3,13.125 28.425,12 v1(29.5,12)
GG_SMBC: R329.1 U301.20 | length 2.7
  Top Layer w0.254: R329.1@22.9,18.9 23.1,18.7 23.1,17.6 23,17.5 U301.20@23,16.275
GG_SMBD: R327.1 U301.18 | length 2.4
  Top Layer w0.254: U301.18@24,16.275 R327.1@24,18.7
GG_SYSPRES: R324.2 R330.1 U100.32 U301.15 | length 90
  Top Layer w0.152: v1(25.625,20.2) 25.625,20.196 25.996,19.825 ; U100.32@93.117,31.414 v1(93.117,32.817) v1@93.125,32.825
  Top Layer w0.254: U301.15@25.5,16.275 25.5,17.65 25.293,17.857 25.293,19.122 25.996,19.825 R324.2@26.65,19.825 26.65,19.875 R330.1@27.8,21.025
  Bottom Layer w0.152: v1(25.625,20.2) 25.364,19.939 25.364,18.083 25.364,17.722 26.186,16.9 32.425,16.9 33.85,18.325 33.85,19.039 34.118,19.307 38.746,23.934 40.086,25.275 40.881,25.275 43.036,27.43 48.63,27.43 52.395,31.195 64.692,31.195 65.97,32.474 65.97,34.576 67.419,36.025 76.657,36.025 79.332,33.35 87.832,33.35 88.682,32.5 92.8,32.5 v1(93.117,32.817)
GG_TOUT: R324.1 R331.2 R332.2 U301.9 | length 48.3
  Top Layer w0.254: R324.1@27.85,19.825 v1(28.85,19.825) ; U301.9@28.5,16.275 28.5,17.3 28.975,17.775 v1(29.25,17.775) ; v1(49.65,31.775) 49.925,32.05 v1(57.25,32.05)
  Bottom Layer w0.152: v1@28.85,19.85 33.33,19.85 38.595,25.115 38.595,33.045 39.05,33.5 43.75,33.5 45.95,31.3 48.45,31.3 48.925,31.775
  Bottom Layer w0.254: v1(28.85,19.825) 28.85,19.05 29.25,18.65 v1(29.25,17.775) ; R331.2@47.6,33.1 48.925,31.775 v1(49.65,31.775) ; v1(57.25,32.05) 58,32.8 R332.2@58,33.1
GG_TS1: C325.1 P302.2 R331.1 R335.2 U301.13 | length 41.6
  Top Layer w0.254: U301.13@26.5,16.275 v1(26.5,17.7)
  Bottom Layer w0.152: v1(26.5,17.7) 26.5,18.7 28.4,20.6 29.1,20.6 29.475,20.225 29.75,20.225 33.175,20.225 38.22,25.27 38.22,33.201 38.895,33.875 45.975,33.875 R335.2@46.4,34.3
  Bottom Layer w0.508: R335.2@46.4,34.3 R331.1@47.6,34.3 ; P302.2@47.54,39.5 47.9,39.14 47.9,38.14 47.6,37.84 R331.1@47.6,34.3 ; C325.1@48.8,34.3 R331.1@47.6,34.3
GG_TS2: C324.1 P303.2 R332.1 R333.2 U301.14 | length 54.3
  Top Layer w0.152: v1(25.847,18.104) 26,17.95 U301.14@26,16.275
  Bottom Layer w0.152: v1(25.847,18.104) 25.847,17.671 26.3,17.217 31.129,17.217 33.668,19.757 38.9,24.989 38.9,32.919 39.176,33.195 43.624,33.195 45.775,31.044 45.775,30.975 50.825,30.975 54.15,34.3 C324.1@55.6,34.3
  Bottom Layer w0.508: C324.1@55.6,34.3 R332.1@58,34.3 ; R333.2@56.7,34.3 56.7,37.2 58.6,39.1 P303.2@58.6,39.5
GG_VCC: C307.1 D301.3 U301.3 | length 6.9
  Top Layer w0.254: U301.3@31.5,16.275 31.5,17.6 32,18.1 C307.1@32,18.7 33.2,19.9 D301.3@35.75,19.9